# Altium PCB UltraZOhm_CarrierBoard.PcbDoc (part 6 of 12) (continued)
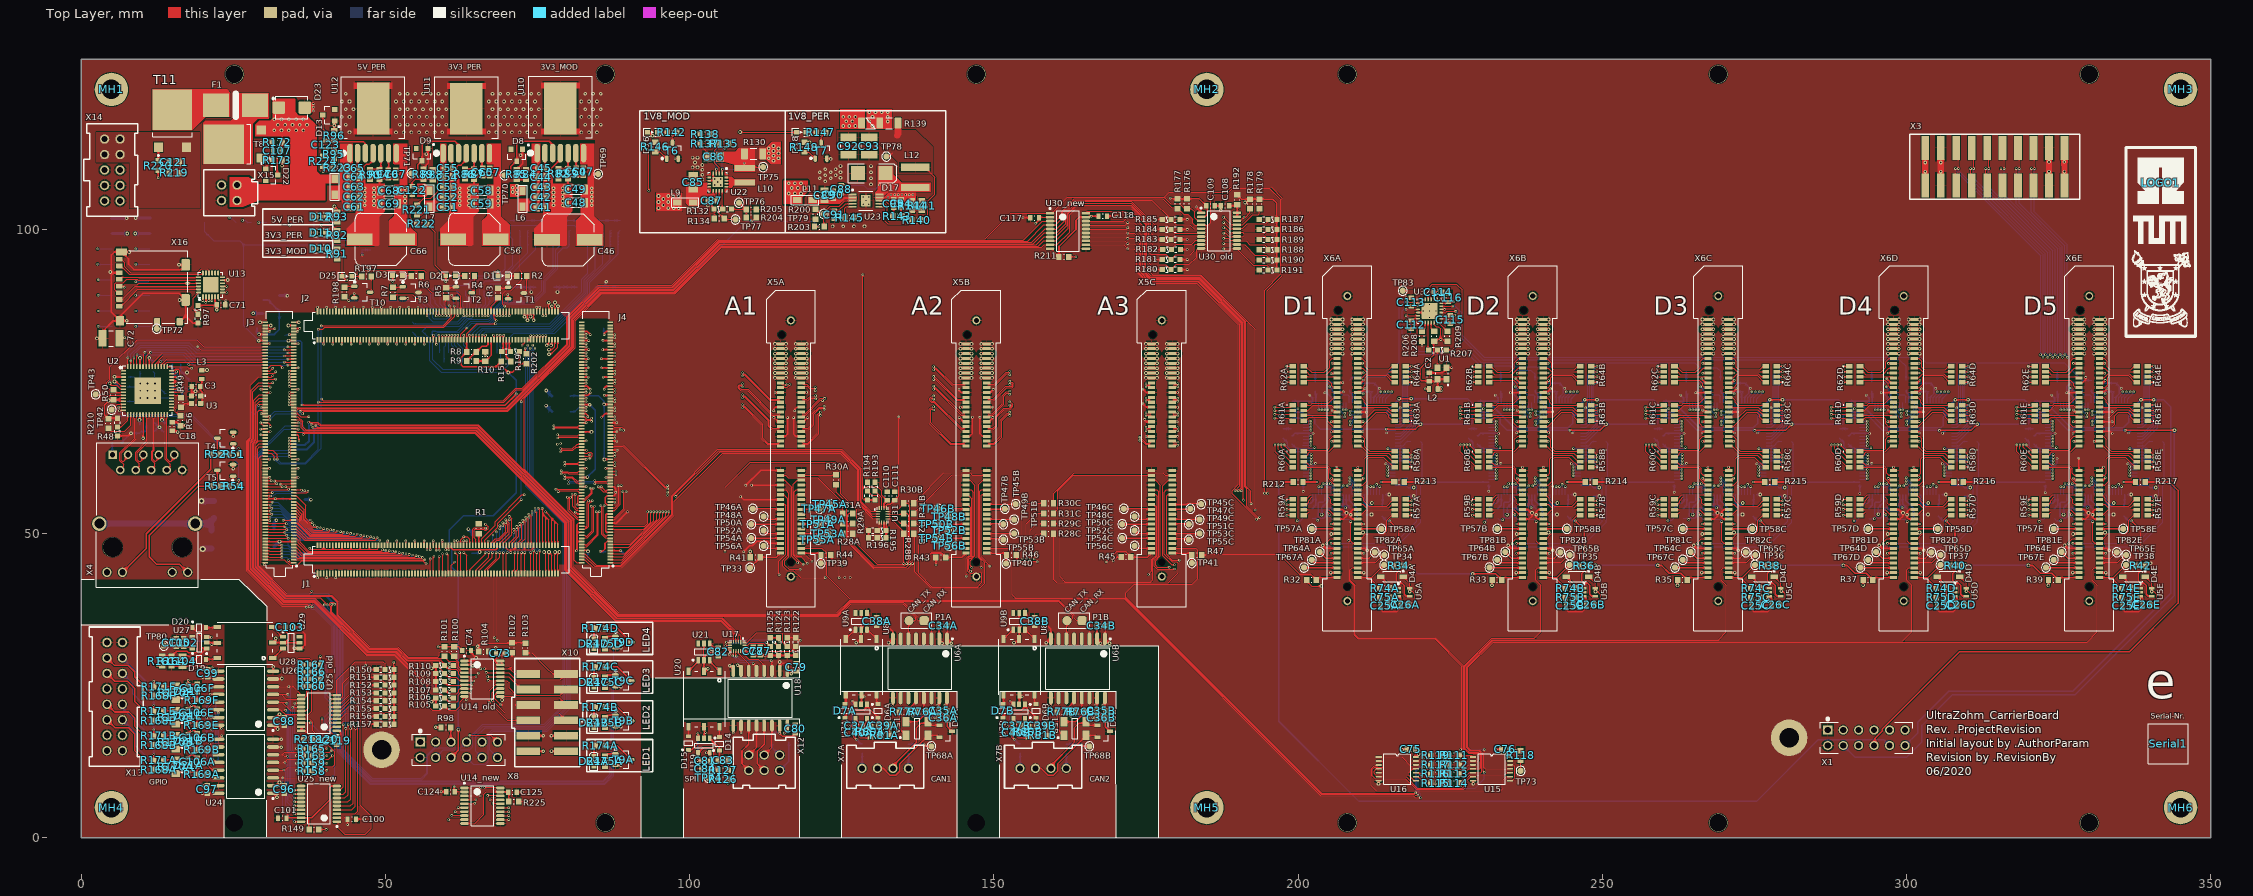
[diagram p0: Top Layer view]
## Nets (pads, with @x,y where several pads share a name; then routed paths per layer and width w, separated by ;. In a path a pad name is that pad's centre, name@x,y a point inside that pad or via, vN(x,y) a via of type N, cw(c..) or ccw(c..) an arc to the next point about the centre after c; other vN are vias at no path point) (continued)
  Bottom Layer w0.1: v1(320.5,110) 320.5,102.856 325.999,97.357 325.999,96.955 v1(325.999,79.4) ; v2(327.22,58.2) 327.92,57.5 328.12,57.5 328.327,57.293 U4E.92@328.327,56.438
DIG_27_CH1: J4.49 U4A.93 | length 125.4
  Top Layer w0.1: v1(85.5,57.7) 85.5,57.696 86.1,57.096 86.302,57.096 86.442,57.236 J4.49@86.957,57.236
  L04_Sig w0.1: v1(85.5,57.7) 85.831,58.031 86.098,58.031 86.867,58.8 200.9,58.8 202.8,56.9 203.9,56.9 204.7,57.7 v1(204.7,58.2)
  Bottom Layer w0.1: v1(204.7,58.2) 205.1,57.8 205.3,57.8 205.907,57.193 U4A.93@205.907,56.438
DIG_27_CH2: J1.124 U4B.93 | length 211.2
  Top Layer w0.1: J1.124@69.372,48.121 69.372,48.472 70.75,49.85 70.75,52.45 v1(70.35,52.85)
  L04_Sig w0.1: v1(70.35,52.85) 70.7,52.5 70.7,49.949 70.849,49.8 110.466,49.8 113.466,52.8 184.012,52.8 205.712,31.1 220.937,31.1 226.8,36.963 226.8,58.183 227.417,58.8 231.38,58.8 233.28,56.9 234.38,56.9 235.18,57.7 v1(235.18,58.2)
  Bottom Layer w0.1: v1(235.18,58.2) 235.58,57.8 235.78,57.8 236.387,57.193 U4B.93@236.387,56.438
DIG_27_CH3: J1.74 U4C.93 | length 255.5
  Top Layer w0.1: v2(56.85,47.35) 56.872,47.372 J1.74@56.872,48.121
  L04_Sig w0.1: v2(56.85,47.35) 56.85,45.883 59.833,42.9 112.097,42.9 115.997,46.8 181.472,46.8 203.172,25.1 249.56,25.1 257.2,32.74 257.2,57.666 258.334,58.8 261.86,58.8 263.76,56.9 264.86,56.9 265.66,57.7 v1(265.66,58.2)
  Bottom Layer w0.1: v1(265.66,58.2) 266.06,57.8 266.26,57.8 266.867,57.193 U4C.93@266.867,56.438
DIG_27_CH4: J3.36 U4D.93 | length 315.5
  Top Layer w0.1: J3.36@30.287,53.736 31.064,53.736 v2(31.1,53.7)
  L04_Sig w0.1: v1(41.55,50.55) 41.55,49.497 54.147,36.9 182.846,36.9 200.746,19 255.154,19 265.254,29.1 282.837,29.1 287.8,34.063 287.8,57.84 288.76,58.8 292.34,58.8 294.24,56.9 295.34,56.9 296.14,57.7 v1(296.14,58.2)
  Bottom Layer w0.1: v2(31.1,53.7) 32.85,53.7 36.25,50.3 41.3,50.3 v1(41.55,50.55) ; v1(296.14,58.2) 296.54,57.8 296.74,57.8 297.347,57.193 U4D.93@297.347,56.438
DIG_27_CH5: U4E.93 X3.7 | length 69.4
  Top Layer w0.1: X3.7@318.297,113.41 318.5,113.207 v1(318.5,110)
  L04_Sig w0.1: v1(325.599,79) 325.599,78.446 333,71.046 333,62.754 330.446,60.2 326.149,60.2 325.95,60.001 325.95,58.87 v1(326.62,58.2)
  Bottom Layer w0.1: v1(318.5,110) 318.5,104.29 325.599,97.191 v1(325.599,79) ; v1(326.62,58.2) 327.02,57.8 327.22,57.8 327.827,57.193 U4E.93@327.827,56.438
DIG_28_CH1: J4.47 U4A.94 | length 126.5
  Top Layer w0.1: v1(84.98,57.7) 84.98,57.697 85.801,56.876 86.302,56.876 86.442,56.736 J4.47@86.957,56.736
  L04_Sig w0.1: v1(84.98,57.7) 85.511,58.231 86.015,58.231 86.784,59 201,59 202.9,57.1 203.8,57.1 204.3,57.6 204.3,58 v1(204.1,58.2)
  Bottom Layer w0.1: v1(204.1,58.2) 204.7,57.6 205.1,57.6 205.407,57.293 U4A.94@205.407,56.438
DIG_28_CH2: J1.125 U4B.94 | length 209.4
  Top Layer w0.1: J1.125@69.872,43.451 69.872,46.722 v1(70.05,46.9)
  L04_Sig w0.1: v1(71.1,50.2) 71.3,50 110.383,50 113.383,53 184.095,53 205.795,31.3 220.854,31.3 226.6,37.046 226.6,58.266 227.334,59 231.48,59 233.38,57.1 234.28,57.1 234.78,57.6 234.78,58 v1(234.58,58.2)
  Bottom Layer w0.1: v1(70.05,46.9) 71.1,47.95 v1(71.1,50.2) ; v1(234.58,58.2) 235.18,57.6 235.58,57.6 235.887,57.293 U4B.94@235.887,56.438
DIG_28_CH3: J1.75 U4C.94 | length 254.9
  Top Layer w0.1: J1.75@57.372,43.451 57.372,45.822 v1(57.4,45.85)
  L04_Sig w0.1: v1(57.4,45.85) 57.4,45.616 59.916,43.1 112.014,43.1 115.914,47 181.554,47 203.254,25.3 249.477,25.3 257,32.823 257,57.749 258.251,59 261.96,59 263.86,57.1 264.76,57.1 265.26,57.6 265.26,58 v1(265.06,58.2)
  Bottom Layer w0.1: v1(265.06,58.2) 265.66,57.6 266.06,57.6 266.367,57.293 U4C.94@266.367,56.438
DIG_28_CH4: J3.35 U4D.94 | length 311.2
  Top Layer w0.1: J3.35@34.957,53.736 35.267,53.736 36.1,52.903 36.1,52.05 38,50.15 41.8,50.15 v1(42.1,50.45)
  L04_Sig w0.1: v1(42.1,50.45) 42.1,49.23 54.23,37.1 182.929,37.1 200.829,19.2 255.071,19.2 265.171,29.3 282.754,29.3 287.6,34.146 287.6,57.923 288.677,59 292.44,59 294.34,57.1 295.24,57.1 295.74,57.6 295.74,58 v1(295.54,58.2)
  Bottom Layer w0.1: v1(295.54,58.2) 296.14,57.6 296.54,57.6 296.847,57.293 U4D.94@296.847,56.438
DIG_28_CH5: U4E.94 X3.17 | length 69
  Top Layer w0.1: v1(318,110) 318,107.484 X3.17@318.297,107.187
  L04_Sig w0.1: v1(325.199,79.4) 325.199,78.563 332.8,70.963 332.8,62.837 330.363,60.4 326.066,60.4 325.75,60.084 325.75,58.47 v1(326.02,58.2)
  Bottom Layer w0.1: v1(318,110) 318,104.225 325.199,97.025 v1(325.199,79.4) ; v1(326.02,58.2) 326.62,57.6 327.02,57.6 327.327,57.293 U4E.94@327.327,56.438
DIG_29_CH1: J4.59 U4A.97 | length 119.6
  Top Layer w0.1: J4.59@86.957,59.736 87.889,59.736 v2(87.909,59.715)
  L04_Sig w0.1: v2(87.909,59.715) 88.113,59.919 96.981,59.919 97.7,59.2 201.1,59.2 203,57.3 203.5,57.3 v1(203.9,57.7)
  Bottom Layer w0.1: v1(203.9,57.7) 203.9,56.444 U4A.97@203.907,56.438
DIG_29_CH2: J1.128 U4B.97 | length 203.2
  Top Layer w0.1: J1.128@70.372,48.121 70.372,48.472 71.5,49.6 71.5,50.3 v1(71.1,50.7) v1@71.223,50.7
  L04_Sig w0.1: v1(71.1,50.7) 71.6,50.2 110.3,50.2 113.3,53.2 184.177,53.2 205.877,31.5 220.771,31.5 226.4,37.129 226.4,58.349 227.251,59.2 231.58,59.2 233.48,57.3 233.98,57.3 v1(234.38,57.7)
  Bottom Layer w0.1: v1(234.38,57.7) 234.38,56.444 U4B.97@234.387,56.438
DIG_29_CH3: J1.76 U4C.97 | length 252.2
  Top Layer w0.1: J1.76@57.372,48.121 57.372,47.378 v2(57.4,47.35)
  L04_Sig w0.1: v2(57.4,47.35) 57.4,46.4 57.8,46 57.8,45.5 60,43.3 111.931,43.3 115.831,47.2 181.637,47.2 203.337,25.5 249.394,25.5 256.8,32.906 256.8,57.831 258.169,59.2 262.06,59.2 263.96,57.3 264.46,57.3 v1(264.86,57.7)
  Bottom Layer w0.1: v1(264.86,57.7) 264.86,56.444 U4C.97@264.867,56.438
DIG_29_CH4: J3.34 U4D.97 | length 312.7
  Top Layer w0.1: J3.34@30.287,53.236 31.314,53.236 v1(31.35,53.2)
  L04_Sig w0.1: v1(42.65,50.35) 42.65,48.963 54.313,37.3 183.012,37.3 200.912,19.4 254.988,19.4 265.088,29.5 282.671,29.5 287.4,34.229 287.4,58.006 288.594,59.2 292.54,59.2 294.44,57.3 294.94,57.3 v1(295.34,57.7)
  Bottom Layer w0.1: v1(31.35,53.2) 33.05,53.2 36.15,50.1 42.4,50.1 v1(42.65,50.35) ; v1(295.34,57.7) 295.34,56.444 U4D.97@295.347,56.438
DIG_29_CH5: U4E.97 X3.6 | length 69.5
  Top Layer w0.1: X3.6@315.757,113.41 316,113.167 v1(316,110)
  L04_Sig w0.1: v1(324.799,79) 324.799,78.681 332.6,70.88 332.6,62.92 330.28,60.6 325.983,60.6 325.55,60.167 325.55,57.97 v1(325.82,57.7)
  Bottom Layer w0.1: v1(316,110) 316,105.66 324.799,96.86 v1(324.799,79) ; v1(325.82,57.7) 325.82,56.444 U4E.97@325.827,56.438
DIG_30_CH1: J4.61 U4A.98 | length 118.8
  Top Layer w0.1: J4.61@86.957,60.236 87.897,60.236 v2(87.909,60.223)
  L04_Sig w0.1: v2(87.909,60.223) 88.002,60.131 97.069,60.131 97.8,59.4 201.2,59.4 202.9,57.7 v1(203.4,57.7)
  Bottom Layer w0.1: v1(203.4,57.7) 203.4,56.444 U4A.98@203.407,56.438
DIG_30_CH2: J1.129 U4B.98 | length 206.2
  Top Layer w0.1: J1.129@70.872,43.451 70.872,43.772 71.3,44.2 v1(71.3,46.9)
  L04_Sig w0.1: v1(71.6,50.7) 71.6,50.5 71.7,50.4 110.217,50.4 113.217,53.4 184.26,53.4 205.96,31.7 220.688,31.7 226.2,37.212 226.2,58.431 227.169,59.4 231.68,59.4 233.38,57.7 v1(233.88,57.7)
  Bottom Layer w0.1: v1(71.3,46.9) 71.3,47.3 71.6,47.6 v1(71.6,50.7) ; v1(233.88,57.7) 233.88,56.444 U4B.98@233.887,56.438
DIG_30_CH3: J1.77 U4C.98 | length 252
  Top Layer w0.1: J1.77@57.872,43.451 57.872,46.172 v1(58,46.3)
  L04_Sig w0.1: v1(58,46.3) 58,45.6 60.1,43.5 111.849,43.5 115.749,47.4 181.72,47.4 203.42,25.7 249.311,25.7 256.6,32.989 256.6,57.914 258.086,59.4 262.16,59.4 263.86,57.7 v1(264.36,57.7)
  Bottom Layer w0.1: v1(264.36,57.7) 264.36,56.444 U4C.98@264.367,56.438
DIG_30_CH4: J3.33 U4D.98 | length 307.8
  Top Layer w0.1: J3.33@34.957,53.236 35.267,53.236 35.9,52.603 35.9,51.9 37.85,49.95 42.9,49.95 v1(43.2,50.25)
  L04_Sig w0.1: v1(43.2,50.25) 43.2,48.7 54.4,37.5 183.095,37.5 200.995,19.6 254.905,19.6 265.005,29.7 282.588,29.7 287.2,34.312 287.2,58.089 288.511,59.4 292.64,59.4 294.34,57.7 v1(294.84,57.7)
  Bottom Layer w0.1: v1(294.84,57.7) 294.84,56.444 U4D.98@294.847,56.438
DIG_30_CH5: U4E.98 X3.16 | length 68.9
  Top Layer w0.1: v1(315.5,110) 315.5,107.444 X3.16@315.757,107.187
  L04_Sig w0.1: v1(324.4,79.4) 324.4,78.797 332.4,70.797 332.4,63.003 330.197,60.8 325.9,60.8 325.35,60.25 325.35,57.73 v1(325.32,57.7)
  Bottom Layer w0.1: v1(315.5,110) 315.5,105.594 324.4,96.694 v1(324.4,79.4) ; v1(325.32,57.7) 325.32,56.444 U4E.98@325.327,56.438
DIG_IO_01A: R62A.8 X6A.17 | length 7.4
  Top Layer w0.1: R62A.8@200.9,77.492 201.208,77.492 202.2,76.5 204.3,76.5 205.181,77.381 205.181,78.384 205.597,78.8 X6A.17@206.38,78.8
DIG_IO_01B: R62B.8 X6B.17 | length 7.3
  Top Layer w0.1: R62B.8@231.38,77.492 231.688,77.492 232.68,76.5 234.78,76.5 235.534,77.254 235.534,78.104 236.23,78.8 X6B.17@236.86,78.8
DIG_IO_01C: R62C.8 X6C.17 | length 7.4
  Top Layer w0.1: R62C.8@261.86,77.492 262.168,77.492 263.16,76.5 265.26,76.5 266.065,77.305 266.065,78.308 266.557,78.8 X6C.17@267.34,78.8
DIG_IO_01D: R62D.8 X6D.17 | length 7.4
  Top Layer w0.1: R62D.8@292.34,77.492 292.648,77.492 293.64,76.5 295.74,76.5 296.596,77.356 296.596,78.283 297.113,78.8 X6D.17@297.82,78.8
DIG_IO_01E: R62E.8 X6E.17 | length 7.5
  Top Layer w0.1: R62E.8@322.82,77.492 323.128,77.492 324.12,76.5 326.22,76.5 327,77.28 327,78.41 327.39,78.8 X6E.17@328.3,78.8
DIG_IO_02A: R64A.5 X6A.18 | length 7.6
  Top Layer w0.1: X6A.18@209.78,78.8 210.481,78.8 210.998,78.283 210.998,77.452 211.5,76.95 214.9,76.95 215.442,77.492 R64A.5@215.9,77.492
DIG_IO_02B: R64B.5 X6B.18 | length 7.5
  Top Layer w0.1: X6B.18@240.26,78.8 240.83,78.8 241.656,77.974 241.656,77.274 241.98,76.95 245.38,76.95 245.922,77.492 R64B.5@246.38,77.492
DIG_IO_02C: R64C.5 X6C.18 | length 7.7
  Top Layer w0.1: X6C.18@270.74,78.8 271.568,78.8 272.034,78.334 272.034,77.376 272.46,76.95 275.86,76.95 276.402,77.492 R64C.5@276.86,77.492
DIG_IO_02D: R64D.5 X6D.18 | length 7.7
  Top Layer w0.1: X6D.18@301.22,78.8 302.022,78.8 302.514,78.308 302.514,77.376 302.94,76.95 306.34,76.95 306.882,77.492 R64D.5@307.34,77.492
DIG_IO_02E: R64E.5 X6E.18 | length 7.7
  Top Layer w0.1: X6E.18@331.7,78.8 332.502,78.8 332.969,78.334 332.969,77.401 333.42,76.95 336.82,76.95 337.362,77.492 R64E.5@337.82,77.492
DIG_IO_03A: R62A.7 X6A.21 | length 6.1
  Top Layer w0.1: R62A.7@200.9,76.592 201.408,76.592 201.85,76.15 204.6,76.15 205.65,77.2 X6A.21@206.38,77.2
DIG_IO_03B: R62B.7 X6B.21 | length 6.1
  Top Layer w0.1: R62B.7@231.38,76.592 231.888,76.592 232.33,76.15 235.08,76.15 236.13,77.2 X6B.21@236.86,77.2
DIG_IO_03C: R62C.7 X6C.21 | length 6.1
  Top Layer w0.1: R62C.7@261.86,76.592 262.368,76.592 262.81,76.15 265.56,76.15 266.61,77.2 X6C.21@267.34,77.2
DIG_IO_03D: R62D.7 X6D.21 | length 6.1
  Top Layer w0.1: R62D.7@292.34,76.592 292.848,76.592 293.29,76.15 296.04,76.15 297.09,77.2 X6D.21@297.82,77.2
DIG_IO_03E: R62E.7 X6E.21 | length 6.1
  Top Layer w0.1: R62E.7@322.82,76.592 323.328,76.592 323.77,76.15 326.52,76.15 327.57,77.2 X6E.21@328.3,77.2
DIG_IO_04A: R64A.6 X6A.22 | length 6.4
  Top Layer w0.1: X6A.22@209.78,77.2 210.6,77.2 211.208,76.592 R64A.6@215.9,76.592
DIG_IO_04B: R64B.6 X6B.22 | length 6.4
  Top Layer w0.1: X6B.22@240.26,77.2 241.08,77.2 241.688,76.592 R64B.6@246.38,76.592
DIG_IO_04C: R64C.6 X6C.22 | length 6.4
  Top Layer w0.1: X6C.22@270.74,77.2 271.56,77.2 272.168,76.592 R64C.6@276.86,76.592
DIG_IO_04D: R64D.6 X6D.22 | length 6.4
  Top Layer w0.1: X6D.22@301.22,77.2 302.04,77.2 302.648,76.592 R64D.6@307.34,76.592
DIG_IO_04E: R64E.6 X6E.22 | length 6.4
  Top Layer w0.1: X6E.22@331.7,77.2 332.52,77.2 333.128,76.592 R64E.6@337.82,76.592
DIG_IO_05A: R62A.6 X6A.25 | length 5.6
  Top Layer w0.1: R62A.6@200.9,75.792 205.492,75.792 205.5,75.8 206.18,75.8 X6A.25@206.38,75.6
DIG_IO_05B: R62B.6 X6B.25 | length 5.6
  Top Layer w0.1: R62B.6@231.38,75.792 235.972,75.792 235.98,75.8 236.66,75.8 X6B.25@236.86,75.6
DIG_IO_05C: R62C.6 X6C.25 | length 5.6
  Top Layer w0.1: R62C.6@261.86,75.792 266.452,75.792 266.46,75.8 267.14,75.8 X6C.25@267.34,75.6
DIG_IO_05D: R62D.6 X6D.25 | length 5.6
  Top Layer w0.1: R62D.6@292.34,75.792 296.932,75.792 296.94,75.8 297.62,75.8 X6D.25@297.82,75.6
DIG_IO_05E: R62E.6 X6E.25 | length 5.6
  Top Layer w0.1: R62E.6@322.82,75.792 327.412,75.792 327.42,75.8 328.1,75.8 X6E.25@328.3,75.6
DIG_IO_06A: R64A.7 X6A.26 | length 6.6
  Top Layer w0.1: X6A.26@209.78,75.6 209.79,75.61 210.56,75.61 211.2,76.25 214.65,76.25 215.108,75.792 R64A.7@215.9,75.792
DIG_IO_06B: R64B.7 X6B.26 | length 6.6
  Top Layer w0.1: X6B.26@240.26,75.6 241.03,75.6 241.68,76.25 245.13,76.25 245.588,75.792 R64B.7@246.38,75.792
DIG_IO_06C: R64C.7 X6C.26 | length 6.6
  Top Layer w0.1: X6C.26@270.74,75.6 271.51,75.6 272.16,76.25 275.61,76.25 276.068,75.792 R64C.7@276.86,75.792
DIG_IO_06D: R64D.7 X6D.26 | length 6.6
  Top Layer w0.1: X6D.26@301.22,75.6 301.99,75.6 302.64,76.25 306.09,76.25 306.548,75.792 R64D.7@307.34,75.792
DIG_IO_06E: R64E.7 X6E.26 | length 6.6
  Top Layer w0.1: X6E.26@331.7,75.6 332.47,75.6 333.12,76.25 336.57,76.25 337.028,75.792 R64E.7@337.82,75.792
DIG_IO_07A: R62A.5 X6A.29 | length 6.3
  Top Layer w0.1: R62A.5@200.9,74.892 201.208,75.2 204.95,75.2 205.5,74.65 205.5,74.3 205.8,74 X6A.29@206.38,74
DIG_IO_07B: R62B.5 X6B.29 | length 6.3
  Top Layer w0.1: R62B.5@231.38,74.892 231.688,75.2 235.43,75.2 235.98,74.65 235.98,74.3 236.28,74 X6B.29@236.86,74
DIG_IO_07C: R62C.5 X6C.29 | length 6.3
  Top Layer w0.1: R62C.5@261.86,74.892 262.168,75.2 265.91,75.2 266.46,74.65 266.46,74.3 266.76,74 X6C.29@267.34,74
DIG_IO_07D: R62D.5 X6D.29 | length 6.3
  Top Layer w0.1: R62D.5@292.34,74.892 292.648,75.2 296.39,75.2 296.94,74.65 296.94,74.3 297.24,74 X6D.29@297.82,74
DIG_IO_07E: R62E.5 X6E.29 | length 6.3
  Top Layer w0.1: R62E.5@322.82,74.892 323.128,75.2 326.87,75.2 327.42,74.65 327.42,74.3 327.72,74 X6E.29@328.3,74
DIG_IO_08A: R64A.8 X6A.30 | length 8.1
  Top Layer w0.1: X6A.30@209.78,74 210.6,74 211.049,74.449 211.049,75.599 211.45,76 214.45,76 215.558,74.892 R64A.8@215.9,74.892
DIG_IO_08B: R64B.8 X6B.30 | length 8.1
  Top Layer w0.1: X6B.30@240.26,74 241.08,74 241.529,74.449 241.529,75.599 241.93,76 244.93,76 246.038,74.892 R64B.8@246.38,74.892
DIG_IO_08C: R64C.8 X6C.30 | length 8.1
  Top Layer w0.1: X6C.30@270.74,74 271.56,74 272.186,74.626 272.186,75.776 272.41,76 275.41,76 276.518,74.892 R64C.8@276.86,74.892
DIG_IO_08D: R64D.8 X6D.30 | length 8.1
  Top Layer w0.1: X6D.30@301.22,74 302.04,74 302.616,74.576 302.616,75.726 302.89,76 305.89,76 306.998,74.892 R64D.8@307.34,74.892
DIG_IO_08E: R64E.8 X6E.30 | length 8.1
  Top Layer w0.1: X6E.30@331.7,74 332.52,74 333.019,74.499 333.019,75.649 333.37,76 336.37,76 337.478,74.892 R64E.8@337.82,74.892
DIG_IO_09A: R61A.8 X6A.33 | length 6
  Top Layer w0.1: R61A.8@200.9,71.142 202.092,71.142 202.35,71.4 204.95,71.4 205.95,72.4 X6A.33@206.38,72.4
DIG_IO_09B: R61B.8 X6B.33 | length 6
  Top Layer w0.1: R61B.8@231.38,71.142 232.572,71.142 232.83,71.4 235.43,71.4 236.43,72.4 X6B.33@236.86,72.4
DIG_IO_09C: R61C.8 X6C.33 | length 6
  Top Layer w0.1: R61C.8@261.86,71.142 263.052,71.142 263.31,71.4 265.91,71.4 266.91,72.4 X6C.33@267.34,72.4
DIG_IO_09D: R61D.8 X6D.33 | length 6
  Top Layer w0.1: R61D.8@292.34,71.142 293.532,71.142 293.79,71.4 296.39,71.4 297.39,72.4 X6D.33@297.82,72.4
DIG_IO_09E: R61E.8 X6E.33 | length 6
  Top Layer w0.1: R61E.8@322.82,71.142 324.012,71.142 324.27,71.4 326.87,71.4 327.87,72.4 X6E.33@328.3,72.4
DIG_IO_10A: R63A.5 X6A.34 | length 6.8
  Top Layer w0.1: X6A.34@209.78,72.4 210.4,72.4 210.85,71.95 210.85,71.6 211.308,71.142 R63A.5@215.9,71.142
DIG_IO_10B: R63B.5 X6B.34 | length 6.8
  Top Layer w0.1: X6B.34@240.26,72.4 240.88,72.4 241.33,71.95 241.33,71.6 241.788,71.142 R63B.5@246.38,71.142
DIG_IO_10C: R63C.5 X6C.34 | length 6.8
  Top Layer w0.1: X6C.34@270.74,72.4 271.36,72.4 271.81,71.95 271.81,71.6 272.268,71.142 R63C.5@276.86,71.142
DIG_IO_10D: R63D.5 X6D.34 | length 6.8
  Top Layer w0.1: X6D.34@301.22,72.4 301.84,72.4 302.29,71.95 302.29,71.6 302.748,71.142 R63D.5@307.34,71.142
DIG_IO_10E: R63E.5 X6E.34 | length 6.8
  Top Layer w0.1: X6E.34@331.7,72.4 332.32,72.4 332.77,71.95 332.77,71.6 333.228,71.142 R63E.5@337.82,71.142
DIG_IO_11A: R61A.7 X6A.37 | length 6
  Top Layer w0.1: R61A.7@200.9,70.242 201.592,70.242 202.45,71.1 205.45,71.1 205.75,70.8 X6A.37@206.38,70.8
DIG_IO_11B: R61B.7 X6B.37 | length 6
  Top Layer w0.1: R61B.7@231.38,70.242 232.072,70.242 232.93,71.1 235.93,71.1 236.23,70.8 X6B.37@236.86,70.8
DIG_IO_11C: R61C.7 X6C.37 | length 6
  Top Layer w0.1: R61C.7@261.86,70.242 262.552,70.242 263.41,71.1 266.41,71.1 266.71,70.8 X6C.37@267.34,70.8
DIG_IO_11D: R61D.7 X6D.37 | length 6
  Top Layer w0.1: R61D.7@292.34,70.242 293.032,70.242 293.89,71.1 296.89,71.1 297.19,70.8 X6D.37@297.82,70.8
DIG_IO_11E: R61E.7 X6E.37 | length 6
  Top Layer w0.1: R61E.7@322.82,70.242 323.512,70.242 324.37,71.1 327.37,71.1 327.67,70.8 X6E.37@328.3,70.8
DIG_IO_12A: R63A.6 X6A.38 | length 6.4
  Top Layer w0.1: X6A.38@209.78,70.8 214.65,70.8 215.208,70.242 R63A.6@215.9,70.242
DIG_IO_12B: R63B.6 X6B.38 | length 6.4
  Top Layer w0.1: X6B.38@240.26,70.8 245.13,70.8 245.688,70.242 R63B.6@246.38,70.242
DIG_IO_12C: R63C.6 X6C.38 | length 6.4
  Top Layer w0.1: X6C.38@270.74,70.8 275.61,70.8 276.168,70.242 R63C.6@276.86,70.242
DIG_IO_12D: R63D.6 X6D.38 | length 6.4
  Top Layer w0.1: X6D.38@301.22,70.8 306.09,70.8 306.648,70.242 R63D.6@307.34,70.242
DIG_IO_12E: R63E.6 X6E.38 | length 6.4
  Top Layer w0.1: X6E.38@331.7,70.8 336.57,70.8 337.128,70.242 R63E.6@337.82,70.242
DIG_IO_13A: R61A.6 X6A.41 | length 5.6
  Top Layer w0.1: R61A.6@200.9,69.442 206.138,69.442 X6A.41@206.38,69.2
DIG_IO_13B: R61B.6 X6B.41 | length 5.6
  Top Layer w0.1: R61B.6@231.38,69.442 236.618,69.442 X6B.41@236.86,69.2
DIG_IO_13C: R61C.6 X6C.41 | length 5.6
  Top Layer w0.1: R61C.6@261.86,69.442 267.098,69.442 X6C.41@267.34,69.2
DIG_IO_13D: R61D.6 X6D.41 | length 5.6
  Top Layer w0.1: R61D.6@292.34,69.442 297.578,69.442 X6D.41@297.82,69.2
DIG_IO_13E: R61E.6 X6E.41 | length 5.6
  Top Layer w0.1: R61E.6@322.82,69.442 328.058,69.442 X6E.41@328.3,69.2
DIG_IO_14A: R63A.7 X6A.42 | length 7
  Top Layer w0.1: X6A.42@209.78,69.2 211.415,69.2 212.615,70.4 214.55,70.4 215.508,69.442 R63A.7@215.9,69.442
DIG_IO_14B: R63B.7 X6B.42 | length 7
  Top Layer w0.1: X6B.42@240.26,69.2 242.022,69.2 243.222,70.4 245.03,70.4 245.988,69.442 R63B.7@246.38,69.442
DIG_IO_14C: R63C.7 X6C.42 | length 7
  Top Layer w0.1: X6C.42@270.74,69.2 272.4,69.2 273.6,70.4 275.51,70.4 276.468,69.442 R63C.7@276.86,69.442
DIG_IO_14D: R63D.7 X6D.42 | length 7
  Top Layer w0.1: X6D.42@301.22,69.2 302.931,69.2 304.131,70.4 305.99,70.4 306.948,69.442 R63D.7@307.34,69.442
DIG_IO_14E: R63E.7 X6E.42 | length 7
  Top Layer w0.1: X6E.42@331.7,69.2 333.436,69.2 334.636,70.4 336.47,70.4 337.428,69.442 R63E.7@337.82,69.442
DIG_IO_15A: R61A.5 X6A.45 | length 6.6
  Top Layer w0.1: R61A.5@200.9,68.542 201.242,68.542 201.8,69.1 204.661,69.1 204.902,68.859 204.902,68.448 205.75,67.6 X6A.45@206.38,67.6
DIG_IO_15B: R61B.5 X6B.45 | length 6.7
  Top Layer w0.1: R61B.5@231.38,68.542 231.722,68.542 232.28,69.1 235.065,69.1 235.331,68.834 235.331,68.25 235.981,67.6 X6B.45@236.86,67.6
DIG_IO_15C: R61C.5 X6C.45 | length 6.8
  Top Layer w0.1: R61C.5@261.86,68.542 262.202,68.542 262.76,69.1 265.748,69.1 265.963,68.885 265.963,68.047 266.41,67.6 X6C.45@267.34,67.6
DIG_IO_15D: R61D.5 X6D.45 | length 6.8
  Top Layer w0.1: R61D.5@292.34,68.542 292.682,68.542 293.24,69.1 296.254,69.1 296.545,68.809 296.545,68.047 296.992,67.6 X6D.45@297.82,67.6
DIG_IO_15E: R61E.5 X6E.45 | length 6.9
  Top Layer w0.1: R61E.5@322.82,68.542 323.162,68.542 323.72,69.1 326.708,69.1 326.898,68.91 326.898,67.97 327.268,67.6 X6E.45@328.3,67.6
DIG_IO_16A: R63A.8 X6A.46 | length 7.9
  Top Layer w0.1: X6A.46@209.78,67.6 210.5,67.6 211.3,68.4 212.85,69.95 214.4,69.95 214.9,69.45 214.9,69.15 215.508,68.542 R63A.8@215.9,68.542
DIG_IO_16B: R63B.8 X6B.46 | length 7.9
  Top Layer w0.1: X6B.46@240.26,67.6 240.98,67.6 243.33,69.95 ; 243.33,69.95 244.88,69.95 245.38,69.45 245.38,69.15 245.988,68.542 R63B.8@246.38,68.542
DIG_IO_16C: R63C.8 X6C.46 | length 7.9
  Top Layer w0.1: X6C.46@270.74,67.6 271.46,67.6 273.81,69.95 275.36,69.95 275.86,69.45 275.86,69.15 276.468,68.542 R63C.8@276.86,68.542
DIG_IO_16D: R63D.8 X6D.46 | length 7.9
  Top Layer w0.1: X6D.46@301.22,67.6 301.94,67.6 304.19,69.85 304.29,69.95 305.84,69.95 306.34,69.45 306.34,69.15 306.948,68.542 R63D.8@307.34,68.542
DIG_IO_16E: R63E.8 X6E.46 | length 8.7
  Top Layer w0.1: X6E.46@331.7,67.6 333.792,67.6 334.188,67.996 334.188,69.368 334.77,69.95 336.32,69.95 336.82,69.45 336.82,69.15 337.428,68.542 R63E.8@337.82,68.542
DIG_IO_17A: R60A.8 X6A.49 | length 7.3
  Top Layer w0.1: R60A.8@200.9,63.522 201.128,63.75 204.75,63.75 205.105,64.105 205.105,65.405 205.7,66 X6A.49@206.38,66
DIG_IO_17B: R60B.8 X6B.49 | length 7.3
  Top Layer w0.1: R60B.8@231.38,63.522 231.608,63.75 235.23,63.75 235.534,64.054 235.534,65.481 236.053,66 X6B.49@236.86,66
DIG_IO_17C: R60C.8 X6C.49 | length 7.4
  Top Layer w0.1: R60C.8@261.86,63.522 262.088,63.75 265.71,63.75 266.014,64.054 266.014,65.532 266.482,66 X6C.49@267.34,66
DIG_IO_17D: R60D.8 X6D.49 | length 7.4
  Top Layer w0.1: R60D.8@292.34,63.522 292.568,63.75 296.19,63.75 296.52,64.08 296.52,65.557 296.962,66 X6D.49@297.82,66
DIG_IO_17E: R60E.8 X6E.49 | length 7.3
  Top Layer w0.1: R60E.8@322.82,63.522 323.048,63.75 326.67,63.75 327,64.08 327,65.507 327.493,66 X6E.49@328.3,66
DIG_IO_18A: R58A.5 X6A.50 | length 7.9
  Top Layer w0.1: X6A.50@209.78,66 210.53,66 210.947,65.583 210.947,64.303 211.728,63.522 R58A.5@215.9,63.522
DIG_IO_18B: R58B.5 X6B.50 | length 7.9
  Top Layer w0.1: X6B.50@240.26,66 241.01,66 241.503,65.507 241.503,64.227 242.208,63.522 R58B.5@246.38,63.522
DIG_IO_18C: R58C.5 X6C.50 | length 7.9
  Top Layer w0.1: X6C.50@270.74,66 271.541,66 272.009,65.532 272.009,64.201 272.688,63.522 R58C.5@276.86,63.522
DIG_IO_18D: R58D.5 X6D.50 | length 8
  Top Layer w0.1: X6D.50@301.22,66 302.122,66 302.489,65.634 302.489,64.201 303.168,63.522 R58D.5@307.34,63.522
DIG_IO_18E: R58E.5 X6E.50 | length 7.8
  Top Layer w0.1: X6E.50@331.7,66 332.32,66 332.77,65.55 332.77,64.4 333.648,63.522 R58E.5@337.82,63.522
DIG_IO_19A: R60A.7 X6A.53 | length 6.3
  Top Layer w0.1: R60A.7@200.9,62.622 201.222,62.622 201.65,63.05 201.65,63.2 201.9,63.45 205,63.45 205.95,64.4 X6A.53@206.38,64.4
DIG_IO_19B: R60B.7 X6B.53 | length 6.3
  Top Layer w0.1: R60B.7@231.38,62.622 231.702,62.622 232.13,63.05 232.13,63.2 232.38,63.45 235.48,63.45 236.43,64.4 X6B.53@236.86,64.4
DIG_IO_19C: R60C.7 X6C.53 | length 6.3
  Top Layer w0.1: R60C.7@261.86,62.622 262.182,62.622 262.61,63.05 262.61,63.2 262.86,63.45 265.96,63.45 266.91,64.4 X6C.53@267.34,64.4
DIG_IO_19D: R60D.7 X6D.53 | length 6.3
  Top Layer w0.1: R60D.7@292.34,62.622 292.662,62.622 293.09,63.05 293.09,63.2 293.34,63.45 296.44,63.45 297.39,64.4 X6D.53@297.82,64.4
DIG_IO_19E: R60E.7 X6E.53 | length 6.3
  Top Layer w0.1: R60E.7@322.82,62.622 323.142,62.622 323.57,63.05 323.57,63.2 323.82,63.45 326.92,63.45 327.87,64.4 X6E.53@328.3,64.4
DIG_IO_20A: R58A.6 X6A.54 | length 6.9
  Top Layer w0.1: X6A.54@209.78,64.4 210.35,64.4 211.55,63.2 214.85,63.2 215.428,62.622 R58A.6@215.9,62.622
DIG_IO_20B: R58B.6 X6B.54 | length 6.9
  Top Layer w0.1: X6B.54@240.26,64.4 240.83,64.4 242.03,63.2 245.33,63.2 245.908,62.622 R58B.6@246.38,62.622
DIG_IO_20C: R58C.6 X6C.54 | length 6.9
  Top Layer w0.1: X6C.54@270.74,64.4 271.31,64.4 272.51,63.2 275.81,63.2 276.388,62.622 R58C.6@276.86,62.622
DIG_IO_20D: R58D.6 X6D.54 | length 6.9
  Top Layer w0.1: X6D.54@301.22,64.4 301.79,64.4 302.99,63.2 306.29,63.2 306.868,62.622 R58D.6@307.34,62.622
DIG_IO_20E: R58E.6 X6E.54 | length 6.9
  Top Layer w0.1: X6E.54@331.7,64.4 332.27,64.4 333.47,63.2 336.77,63.2 337.348,62.622 R58E.6@337.82,62.622
DIG_IO_21A: R60A.6 X6A.57 | length 6.8
  Top Layer w0.1: R60A.6@200.9,61.822 201.228,61.822 201.9,61.15 204.85,61.15 205.3,60.7 205.3,59.95 205.65,59.6 X6A.57@206.38,59.6
DIG_IO_21B: R60B.6 X6B.57 | length 6.8
  Top Layer w0.1: R60B.6@231.38,61.822 231.708,61.822 232.38,61.15 235.33,61.15 235.78,60.7 235.78,59.95 236.13,59.6 X6B.57@236.86,59.6
DIG_IO_21C: R60C.6 X6C.57 | length 6.8
  Top Layer w0.1: R60C.6@261.86,61.822 262.188,61.822 262.86,61.15 265.81,61.15 266.26,60.7 266.26,59.95 266.61,59.6 X6C.57@267.34,59.6
DIG_IO_21D: R60D.6 X6D.57 | length 6.8
  Top Layer w0.1: R60D.6@292.34,61.822 292.668,61.822 293.34,61.15 296.29,61.15 296.74,60.7 296.74,59.95 297.09,59.6 X6D.57@297.82,59.6
DIG_IO_21E: R60E.6 X6E.57 | length 6.8
  Top Layer w0.1: R60E.6@322.82,61.822 323.148,61.822 323.82,61.15 326.77,61.15 327.22,60.7 327.22,59.95 327.57,59.6 X6E.57@328.3,59.6
DIG_IO_22A: R58A.7 X6A.58 | length 9.3
  Top Layer w0.1: X6A.58@209.78,59.6 210.6,59.6 210.9,59.9 210.9,62.3 211.5,62.9 214.45,62.9 215.528,61.822 R58A.7@215.9,61.822
DIG_IO_22B: R58B.7 X6B.58 | length 9.3
  Top Layer w0.1: X6B.58@240.26,59.6 241.08,59.6 241.38,59.9 241.38,62.3 241.98,62.9 244.93,62.9 246.008,61.822 R58B.7@246.38,61.822
DIG_IO_22C: R58C.7 X6C.58 | length 9.3
  Top Layer w0.1: X6C.58@270.74,59.6 271.56,59.6 271.86,59.9 271.86,62.3 272.46,62.9 275.41,62.9 276.488,61.822 R58C.7@276.86,61.822
DIG_IO_22D: R58D.7 X6D.58 | length 9.3
  Top Layer w0.1: X6D.58@301.22,59.6 302.04,59.6 302.34,59.9 302.34,62.3 302.94,62.9 305.89,62.9 306.968,61.822 R58D.7@307.34,61.822
DIG_IO_22E: R58E.7 X6E.58 | length 9.3
  Top Layer w0.1: X6E.58@331.7,59.6 332.52,59.6 332.82,59.9 332.82,62.3 333.42,62.9 336.37,62.9 337.448,61.822 R58E.7@337.82,61.822
DIG_IO_23A: R60A.5 X6A.61 | length 7.6
  Top Layer w0.1: R60A.5@200.9,60.922 204.728,60.922 205.05,60.6 205.05,59 206.05,58 X6A.61@206.38,58
DIG_IO_23B: R60B.5 X6B.61 | length 7.6
  Top Layer w0.1: R60B.5@231.38,60.922 235.208,60.922 235.53,60.6 235.53,59 236.53,58 X6B.61@236.86,58
DIG_IO_23C: R60C.5 X6C.61 | length 7.6
  Top Layer w0.1: R60C.5@261.86,60.922 265.688,60.922 266.01,60.6 266.01,59 267.01,58 X6C.61@267.34,58
DIG_IO_23D: R60D.5 X6D.61 | length 7.6
  Top Layer w0.1: R60D.5@292.34,60.922 296.168,60.922 296.49,60.6 296.49,59 297.49,58 X6D.61@297.82,58
DIG_IO_23E: R60E.5 X6E.61 | length 7.6
  Top Layer w0.1: R60E.5@322.82,60.922 326.648,60.922 326.97,60.6 326.97,59 327.97,58 X6E.61@328.3,58
DIG_IO_24A: R58A.8 X6A.62 | length 10.8
  Top Layer w0.1: X6A.62@209.78,58 210.65,58 211.25,58.6 211.25,62.2 211.65,62.6 214,62.6 215.678,60.922 R58A.8@215.9,60.922
DIG_IO_24B: R58B.8 X6B.62 | length 10.8
  Top Layer w0.1: X6B.62@240.26,58 241.13,58 241.73,58.6 241.73,62.2 242.13,62.6 244.48,62.6 246.158,60.922 R58B.8@246.38,60.922
DIG_IO_24C: R58C.8 X6C.62 | length 10.8
  Top Layer w0.1: X6C.62@270.74,58 271.61,58 271.86,58.25 272.21,58.6 272.21,62.2 272.61,62.6 274.96,62.6 276.638,60.922 R58C.8@276.86,60.922
DIG_IO_24D: R58D.8 X6D.62 | length 10.8
  Top Layer w0.1: X6D.62@301.22,58 302.09,58 302.69,58.6 302.69,62.2 303.09,62.6 305.44,62.6 307.118,60.922 R58D.8@307.34,60.922